# KiCad board RBCX.kicad_pcb (continued)
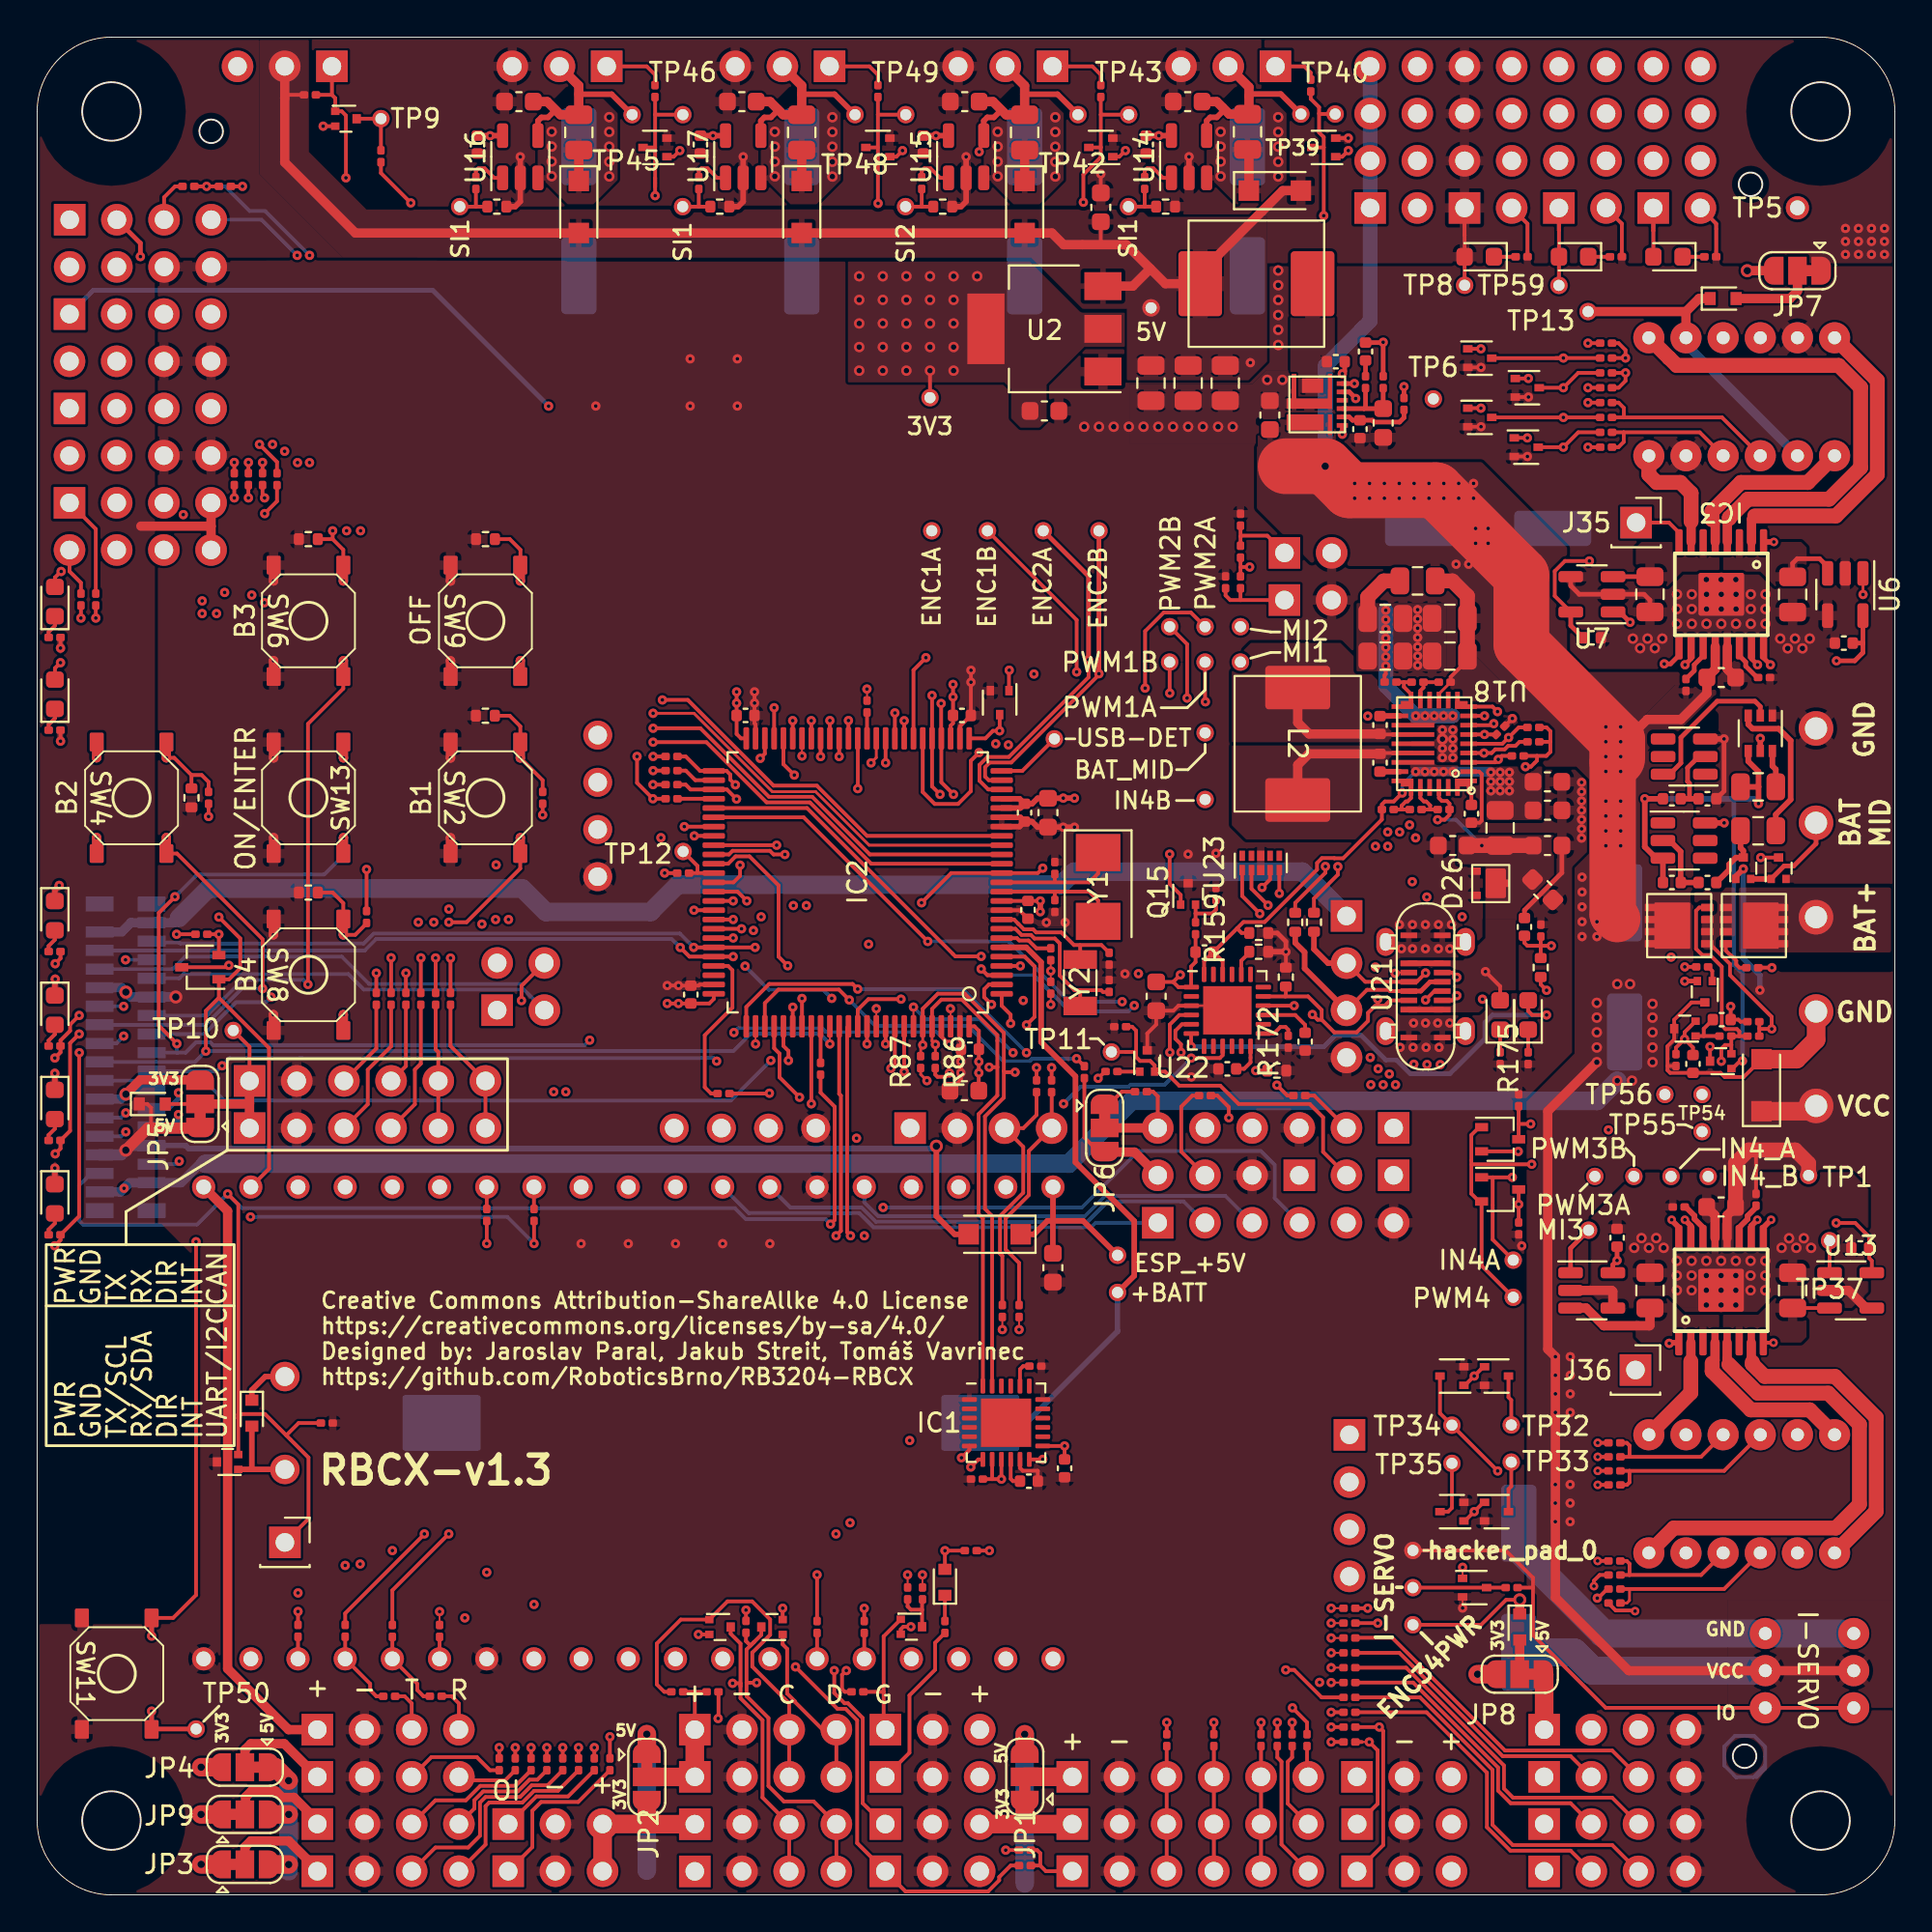
[diagram p0: board, top side]
## Routing (per net, layer and track width the routed paths; a pad name or vN(x,y) marks a point on that pad's centre or on a via; arc(x,y) is an arc through that point) (continued)
  Top w1: JP2.2 35.4,6.35 J6.1 J9.1
  In1.Cu w0.2: v1(43.56,12.07) 43.56,10.69 43.07,10.21
/Connectors/ESP-I2C-SCL: length 95.4
  Top w0.2: v1(14.04,15.25) R2.2 ; 37.33,14.42 37.33,14.05 37.86,13.52 37.86,11.22 ; 40.48,1.26 40.48,3.8 39.05,5.24 39.05,9.4 37.86,10.58 37.86,11.22 ; 37.86,11.22 37.86,11.39 v1(37.44,11.39) ; v1(52.14,2.41) R18.1
  In1.Cu w0.15: J1.3 23.45,50.16 17.93,44.64 17.93,17.31 15.87,15.25 v1(14.04,15.25)
  In2.Cu w0.1: v1(52.14,2.41) 41.63,2.41 40.48,1.26
  In2.Cu w0.15: v1(14.04,15.25) 15.42,13.87 32.38,13.87 33.01,13.24 33.01,12.22 33.69,11.54 36.95,11.54 37.1,11.39 v1(37.44,11.39)
/Connectors/ESP-I2C-SCL-VSEL: length 20.3
  Top w0.2: R19.1 33.76,10.93 33.36,11.33 33.36,13.53 34.65,14.82 Q1.1 37.16,15.8 38.49,15.8 39.46,14.83 39.46,14 38.5,13.04 38.5,12.29 40.48,10.3 40.48,6.35
/Connectors/ESP-I2C-SDA: length 73.5
  Top w0.1: R4.2 v1(21.66,15.25)
  Top w0.2: 38.98,14.42 38.98,14 38.58,13.6 ; 38.58,13.6 38.58,13.6 38.4,13.42 ; 38.58,13.6 38.46,13.47 ; 38.19,11.44 38.19,10.7 39.37,9.52 39.37,5.86 40.2,5.03 41.8,5.03 J17.4 J22.4 ; 38.4,13.42 38.19,13.21 38.19,11.42 v1(38.73,11.42) ; 38.4,13.42 38.16,13.66 R28.1
  In1.Cu w0.15: J1.1 23.4,47.62 20.31,44.53 20.31,36.74 21.66,35.39 v1(21.66,15.25)
  In2.Cu w0.15: v1(38.73,11.42) 38.34,11.81 33.8,11.81 33.29,12.32 33.29,13.34 32.47,14.16 22.75,14.16 v1(21.66,15.25)
/Connectors/ESP-I2C-SDA-VSEL: length 17.7
  Top w0.1: 36.68,9.51 v1(36.66,9.49)
  Top w0.2: J6.4 J9.4 42.28,8.89 40.78,10.39 40.78,10.43 40.37,10.84 40.37,13.24 40.13,13.48 Q2.1 ; R29.1 36.68,9.51
  In2.Cu w0.15: v1(36.66,9.49) 37.08,9.92 42,9.92 J9.4
/Connectors/ESP-SPI-MISO: length 6.7
  Top w0.2: J18.4 63.34,7.99 63.36,8.01
/Connectors/ESP-SPI-MOSI: length 6.7
  Top w0.2: J18.3 60.8,8 R20.2
/Connectors/ESP-SPI-SCK: length 6.7
  Top w0.2: J18.5 65.88,7.98 65.86,8.01
/Connectors/ESP-SPI-~{CS1}: length 1.7
  Top w0.1: J5.6 68.36,6.42
  Top w0.2: 68.36,6.42 R23.2
/Connectors/ESP-SPI-~{CS2}: length 4.7
  Top w0.2: R33.2 67.56,7.4 67.32,7.16 67.32,4.91 J12.6
/Connectors/ESP-SPI-~{CS3}: length 7.4
  Top w0.2: J18.6 66.98,2.71 66.98,7.17 66.76,7.4 R40.2
/Connectors/ESP-USART-RX: length 11.4
  Top w0.2: J7.3 21.44,2.55 23.2,2.55 23.84,3.18 23.84,4.97 24.14,5.27 26,5.27 26.63,5.9 27.48,5.9 R24.2
/Connectors/ESP-USART-TX: length 9.9
  Top w0.2: J7.4 24.14,2.71 24.14,4.77 24.33,4.97 26.12,4.97 26.75,5.6 28.03,5.6 R25.2
/Connectors/ESP_SPI_PWR: length 2.6
  Top w1: J5.1 JP1.2
/Connectors/ESP_UCOM_PWR: length 5.8
  Top w0.5: J13.1 15.08,3.99 13.82,5.24 13.18,5.24 12.83,5.59 11.54,5.59 11.22,5.27 11.22,4.32
/Connectors/ESP_USART_PWR: length 5.7
  Top w0.5: J7.1 15.08,1.36 13.54,2.9 11.51,2.9 11.19,2.58 11.19,1.64
/Connectors/GPIO1: length 1.2
  Top w0.2: R26.1 IM3.7
/Connectors/GPIO3: length 32.7
  Top w0.2: R34.1 v1(26.59,7.93)
  In1.Cu w0.15: v1(26.59,7.93) 30.23,11.57 30.23,37.15 IM3.9
/Connectors/GPIO4: length 32.6
  Top w0.2: R36.1 v1(27.44,7.93)
  In1.Cu w0.1: v1(27.44,7.93) 27.63,8.12
  In1.Cu w0.15: IM3.10 30.52,36.8 30.52,11.01 27.63,8.12
/Connectors/GPIO5: length 32.7
  Top w0.2: R27.1 v1(30.83,8.51)
  In1.Cu w0.2: IM3.11 33.55,38.1 30.83,35.39 v1(30.83,8.51)
/Connectors/GPIO-1: length 74.8
  Top w0.2: R26.2 v1(24.2,35.06)
  In1.Cu w0.15: v1(24.2,17.36) v1(24.2,35.06)
  In2.Cu w0.15: v1(24.2,17.36) 24.78,16.78 63.19,16.78 68.23,11.75 68.23,11.57 68.83,10.97 71.4,10.97 72.78,9.59 72.78,8.08 J8.1
/Connectors/GPIO-2: length 84.6
  Top w0.2: v1(42.91,12.07) 42.91,10.87 43.46,10.31 43.65,10.31 44.44,9.52 44.44,4.93 45.56,3.81 ; v1(26.75,35.06) R7.2
  In1.Cu w0.15: v1(26.75,15.63) v1(26.75,35.06)
  In1.Cu w0.2: v1(11.48,36.49) 9.04,36.49 5.58,39.96 5.58,43.62 4.14,45.06 4.14,49.72 v1(4.76,50.33)
  In2.Cu w0.15: v1(42.91,12.07) 42.91,13.49 40.52,15.87 26.99,15.87 v1(26.75,15.63)
  Bottom w0.2: v1(11.48,36.49) 25.31,36.49 v1(26.75,35.06) ; v1(4.76,50.33) 4.76,50.34 X2.26
/Connectors/GPIO-3: length 7.6
  Top w0.2: R34.2 25.75,5.87 23.86,5.87 23.08,5.09 21.44,5.09 J13.3
/Connectors/GPIO-4: length 6.2
  Top w0.2: R36.2 26.93,6.2 26.5,6.2 25.87,5.57 24.01,5.57 23.54,5.09 23.54,4.65 J13.4
/Connectors/GPIO-5: length 8.9
  Top w0.2: J10.1 26.66,2.57 26.66,4.53 27.13,5 29.12,5 R27.2
/Connectors/GPIO-6: length 5.8
  Top w0.2: J16.1 25.39,3.81 26.87,5.3 28.58,5.3 R39.2
/Connectors/GPIO-7: length 2.7
  Top w0.2: R35.2 47.64,15.89 47.64,15.35 ; 47.64,15.35 47.04,15.35 46.86,15.53 R31.1 ; 47.64,15.35 Q3.3
/Connectors/GPIO-7-VSEL: length 7.4
  Top w0.2: Q3.1 45.57,13.91 45.57,10.94 ; R32.1 45.56,10.93 45.57,10.94 ; 45.57,10.94 45.57,8.89
/Connectors/ILED: length 3
  Top w0.2: R43.2 TP9.P$1 17.2,95.61 Q4.3
/Connectors/ILED-5V: length 65.6
  Top w0.2: J21.1 15.87,96.89 ; 15.87,96.89 R41.1 ; 15.87,96.89 16.05,96.71 Q4.1 16.4,96.01 16.62,95.78 v1(16.62,92.43)
  In1.Cu w0.15: v1(7.65,39.49) 8.6,40.45 8.6,67.92 v1(9.66,68.97)
  In1.Cu w0.2: v1(16.62,92.43) 13.32,89.13 v1(13.32,77.71)
  In2.Cu w0.2: v1(13.32,77.71) 13.32,72.64 v1(9.66,68.97)
  Bottom w0.2: v1(7.65,39.49) 7.49,39.34 X2.4
/Connectors/IN1: length 90.5
  Top w0.1: R37.1 v1(71.71,8.23)
  Top w0.2: 71.31,8.23 R37.1 ; v1(71.71,8.23) 72.16,7.78 72.16,4.9 71.06,3.8
  In1.Cu w0.15: IM3.3 15.16,36.98 15.16,17.37 v1(14.04,16.25)
  In2.Cu w0.15: v1(71.71,8.23) 71.71,9.18 70.44,10.44 68.61,10.44 67.65,11.4 66.84,11.4 62.05,16.19 14.11,16.19 v1(14.04,16.25)
/Connectors/IN2: length 89.4
  Top w0.2: J20.1 72.46,2.68 72.46,8.82 v1(72.25,9.03) R42.1
  In1.Cu w0.15: 16.58,38.1 v1(16.58,17.73)
  In2.Cu w0.15: v1(72.25,9.03) 70.57,10.71 68.72,10.71 67.76,11.66 66.95,11.66 62.16,16.45 17.86,16.45 v1(16.58,17.73)
/Connectors/IN3: length 51.4
  Top w0.2: D1.2 v1(48.87,18.53) R30.1
  In1.Cu w0.15: IM3.5 v1(19.12,18.53)
  In2.Cu w0.1: 19.13,18.53 v1(19.12,18.53)
  In2.Cu w0.2: v1(48.87,18.53) 19.13,18.53
/Connectors/IN3-5V: length 9.1
  Top w0.2: R38.2 48.34,13.57 48.34,12.12 46.96,10.74 46.96,7.65 J14.1
/Connectors/IN4: length 64.8
  Top w0.2: R44.1 52.41,1.58 51.79,0.96 51.79,0.78 51.19,0.19 46.74,0.19 J23.1 44.14,2.78 44.14,9.39 43.52,10.01 43.08,10.01 v1(40.82,12.27)
  In1.Cu w0.15: 21.66,38.1 23.02,36.74 v1(23.02,14.91)
  In2.Cu w0.15: v1(40.82,12.27) 40.82,13.29 39.65,14.46 23.47,14.46 v1(23.02,14.91)
/Connectors/SPI_MISO: length 38.7
  Top w0.2: R21.1 v1(63.34,9.28)
  In2.Cu w0.15: v1(63.34,9.28) 62.18,10.44 29,10.44 26.74,12.7
/Connectors/SPI_MOSI: length 51.4
  Top w0.2: v1(60.81,9.28) R20.1
  In2.Cu w0.15: 11.5,12.7 14.01,10.19 59.9,10.19 v1(60.81,9.28)
/Connectors/SPI_SCK: length 38.7
  Top w0.2: v1(65.88,9.28) R22.1
  In2.Cu w0.15: IM3.30 31.29,10.69 64.47,10.69 v1(65.88,9.28)
/Connectors/SPI_~{SS1}: length 38.6
  Top w0.2: v1(67.57,10.07) 68.36,9.28 R23.1
  In2.Cu w0.15: IM3.29 33.58,10.94 66.16,10.94 67.03,10.07 v1(67.57,10.07)
/Connectors/SPI_~{SS2}: length 31.4
  Top w0.2: R33.1 v1(67.56,9.28)
  In2.Cu w0.15: IM3.26 40.63,11.52 65.99,11.52 66.61,10.89 67.38,10.89 68.02,10.25 68.02,9.74 v1(67.56,9.28)
/Connectors/UART2_RX: length 12.7
  Top w0.2: R24.1 v1(28.29,7.93)
  In1.Cu w0.2: v1(28.29,7.93) 29.06,7.16 31.02,7.16 31.94,8.08 31.94,9.57 34.14,11.78 35.98,11.78 IM3.27
/Connectors/UART2_TX: length 9.2
  Top w0.2: R25.1 v1(29.14,7.93)
  In1.Cu w0.2: v1(29.14,7.93) 29.61,7.46 30.89,7.46 31.64,8.2 31.64,9.7 34.36,12.42 IM3.28
/CONTROL_RX/SDA: length 74
  Top w0.2: R49.1 20.65,50.43 v1(20.66,50.44) ; R140.2 v1(44.52,15.42) ; v1(38.92,61.18) 39.17,61.43 IC2.48
  In1.Cu w0.15: v1(38.92,61.18) 39.33,60.77 39.33,56.24 39.45,56.12 39.45,51.17 38.27,49.99 v1(38.11,49.99) ; v1(44.11,40.73) 44.11,46.92 v1(42.77,48.26)
  In1.Cu w0.2: v1(44.52,15.42) 44.52,35.47
  In1.Cu w0.25: 44.52,35.47 v1(44.53,35.48)
  In2.Cu w0.15: v1(38.11,49.99) 29.54,49.99 28.22,51.31 23.9,51.31 22.41,49.81 21.28,49.81 v1(20.66,50.44)
  In2.Cu w0.2: v1(44.11,40.73) 43.6,40.22 43.6,36.4 v1(44.53,35.48)
  Bottom w0.2: v1(38.11,49.99) 39.38,48.72 42.31,48.72 v1(42.77,48.26)
/CONTROL_TX/SCL: length 99
  Top w0.2: R141.2 v1(41.98,17.23) ; v1(39.67,63.9) IC2.47 ; v1(19.05,50.44) R47.1
  In1.Cu w0.15: v1(40.71,53.25) 40.71,57.13 39.67,58.16 v1(39.67,63.9) ; v1(19.05,50.44) 19.06,50.43 19.06,46.68 17.68,45.29 17.68,18.1 v1(17.39,17.81)
  In2.Cu w0.15: v1(17.39,17.81) 41.4,17.81 v1(41.98,17.23)
  In2.Cu w0.2: v1(19.05,50.44) 19.77,51.16 21.61,51.16 23.98,53.53 33.82,53.53 34.67,54.38 39.58,54.38 v1(40.71,53.25)
/Coprocessor/BOOT0: length 78.9
  Top w0.1: v1(47.17,47.79) IC2.94
  Top w0.2: 58.59,45.37 59.14,45.37 59.16,45.36 ; 58.59,45.37 TP11.P$1 ; 58.59,45.37 58.82,45.37 ; R77.2 58.94,46.73 59.16,46.52 59.16,45.36 ; 59.16,45.36 59.16,45.1 59.37,44.89 59.92,44.89 60.16,44.65 Q6.2 60.72,44.31 61.48,43.56 63.69,43.56 64.67,42.57 68.5,42.57 69.22,41.85 69.22,39.99 70.48,38.73
  In2.Cu w0.1: TP11.P$1 57.41,45.79 52.99,45.79 v1(52.53,45.33)
  In2.Cu w0.15: v1(47.17,47.79) 47.17,46.7 45.85,45.38 39.96,45.38 v1(39.49,44.91)
  Bottom w0.2: v1(39.49,44.91) 37.34,42.76 10.08,42.76 9,43.84 X2.13 ; v1(47.17,47.79) 47.83,47.13 50.74,47.13 v1(52.53,45.33)
/Coprocessor/BUTTON1: length 35.2
  Top w0.2: v1(49.09,45.78) 48.67,46.2 IC2.97 ; v1(27.21,58.13) R57.1
  In1.Cu w0.1: v1(37.51,46.42) 34.55,46.42 33.35,47.62 33.35,56.68 v1(33.58,56.91)
  In2.Cu w0.15: v1(27.21,58.13) 29.03,56.31 32.98,56.31 v1(33.58,56.91)
  Bottom w0.2: v1(49.09,45.78) 48.43,46.44 42.47,46.44 42.26,46.65 37.74,46.65 v1(37.51,46.42)
/Coprocessor/BUTTON2: length 28.6
  Top w0.2: IC2.57 v1(34.84,57.5) ; v1(9.23,58.05) R60.1
  In2.Cu w0.15: v1(9.23,58.05) 9.84,58.66 31.49,58.66 32.64,57.5 v1(34.84,57.5)
/Coprocessor/BUTTON3: length 1.4
  Top w0.2: R66.1 IC2.37
/Coprocessor/BUTTON4: length 21.7
  Top w0.2: IC2.58 v1(35.37,57) ; v1(17.73,55.2) R69.1
  In2.Cu w0.15: v1(17.73,55.2) 18.6,56.06 33.45,56.06 34.39,57 v1(35.37,57)
/Coprocessor/BUTTON_OFF: length 44.7
  Top w0.2: v1(40.76,60.28) 40.17,60.86 IC2.46 ; U3.2 v1(9.78,51.71) R74.1
  In1.Cu w0.15: v1(40.76,60.28) 41.41,59.63 v1(41.41,53.25)
  In2.Cu w0.2: v1(41.41,53.25) 39.98,54.68 34.55,54.68 33.7,53.83 11.9,53.83 v1(9.78,51.71)
/Coprocessor/BUTTON_ON: length 62.5
  Top w0.2: R168.1 v1(88.69,49.95) ; IC2.61 37.2,55.5 37.6,55.9 38.34,55.9 39.91,54.34 39.91,50.51 v1(40.4,50.01) ; 89.41,50 89.41,50.03
  In2.Cu w0.1: 63.03,50.54 54.56,50.54 53.44,49.42 41,49.42 v1(40.4,50.01) ; 62.71,50.54 65.81,50.54 69.36,54.09 74.22,54.09 74.49,54.36 79.7,54.36 83.03,51.03
  In2.Cu w0.2: v1(88.69,49.95) 88.69,50.42 88.08,51.03 83.03,51.03
/Coprocessor/BUZZER: length 2
  Top w0.2: R62.1 IC2.84
/Coprocessor/CHARGER_INT: length 45.7
  Top w0.2: IC2.31 47.67,59.36 48.31,58.72 49.57,58.72 50.26,59.41 50.26,61.04 v1(50.7,61.49) ; R158.1 79.75,62.84 v1(79.21,62.3) 78.87,61.96 U18.5
  In2.Cu w0.15: v1(79.21,62.3) 79.21,61.13 79.7,60.63 79.7,59.16 79.05,58.51 73.13,58.51 70.39,61.25 50.94,61.25 v1(50.7,61.49)
/Coprocessor/ENC1A: length 77.7
  Top w0.1: 81.74,82.73 81.74,82.72
  Top w0.2: D5.3 82.16,82.72 ; 81.74,82.73 v1(82.16,82.73) R92.2 ; v1(39.81,56.5) IC2.59
  Top w0.25: 82.16,82.72 v1(82.16,82.73)
  In2.Cu w0.15: 55.25,66.33 TP18.P$1 ; 55.25,66.33 54.15,65.22 51.22,65.22 49.46,63.46 47.88,63.46 46.91,64.43 40.84,64.43 39.81,63.39 v1(39.81,56.5) ; 55.25,66.33 68.71,79.79 76.18,79.79 79.12,82.73 v1(82.16,82.73)
/Coprocessor/ENC1B: length 75.3
  Top w0.2: IC2.60 37.24,56 37.44,56.2 39.44,56.2 39.64,56 v1(40.25,56) ; D6.3 v1(82.16,81.13) 82.96,81.93 R93.2 ; TP19.P$1 55.96,68.63 v1(55.96,65.83)
  In2.Cu w0.15: 55.53,66.25 54.25,64.97 51.32,64.97 49.56,63.21 47.78,63.21 46.81,64.17 41.01,64.17 40.18,63.35 40.18,63 40.25,62.93 v1(40.25,56) ; 55.53,66.25 v1(55.96,65.83) ; 55.53,66.25 68.82,79.54 76.29,79.54 77.88,81.13 v1(82.16,81.13)
/Coprocessor/ENC2A: length 56
  Top w0.2: IC2.23 51.2,59.5 50.73,59.97 50.73,60.83 51.15,61.25 52.31,61.25 56.6,65.54 v1(56.6,66.48) ; D7.3 v1(82.16,79.53) R94.2
  Top w0.25: v1(56.6,66.48) 56.6,70.99 TP20.P$1
  In2.Cu w0.15: v1(56.6,66.48) 56.6,66.93 68.96,79.29 76.39,79.29 76.63,79.53 v1(82.16,79.53)
/Coprocessor/ENC2B: length 52
  Top w0.2: v1(57.16,65.73) 57.16,65.68 52.43,60.95 51.28,60.95 51.03,60.7 51.03,60.2 51.22,60 IC2.24 ; R95.2 82.96,78.73 v1(82.16,77.93) D8.3
  Top w0.25: v1(57.16,65.73) TP21.P$1
  In2.Cu w0.15: v1(82.16,77.93) 67.97,77.93 57.16,67.12 v1(57.16,65.73)
/Coprocessor/ENC3A: length 80.8
  Top w0.1: IC2.77 v1(38.67,45.8)
  Top w0.2: R104.2 v5(84.01,23.58) ; TP32.P$1 79.35,26.63 79.2,26.78 79.2,27.93
  In1.Cu w0.15: v1(74.81,53.71) 76.8,53.71 78.9,51.62 78.9,45.14 78.57,44.81 78.57,26.07 TP32.P$1 81.07,23.58 v5(84.01,23.58)
  In2.Cu w0.1: v1(38.67,45.8) 39.07,45.8 39.97,46.71 39.97,46.87 40.48,47.38 43.62,47.38 45.45,49.22 54.81,49.22 55.73,50.14 65.97,50.14 69.53,53.7 74.79,53.7 v1(74.81,53.71)
/Coprocessor/ENC4A: length 79.8
  Top w0.1: v1(45.17,47.7) IC2.90
  Top w0.2: D12.3 75.51,25.93 TP34.P$1 v1(78.62,22.82) ; R106.2 84.47,16.46 84.47,16.42 84.03,15.97 v1(83.98,15.97)
  In1.Cu w0.15: 78.07,22.59 78.07,21.05 83.14,15.97 v1(83.98,15.97) ; 78.07,22.59 78.07,45.02 78.4,45.35 78.4,48.3 77.24,49.46 ; 78.07,22.59 78.07,22.82 v1(78.62,22.82) ; 77.16,49.54 77.24,49.46 ; 77.24,49.46 76.51,50.18 72.28,50.18 v1(72.04,49.94)
  In2.Cu w0.1: v1(45.17,47.7) 45.17,48.08 45.9,48.81 68.01,48.81 68.29,49.09 71.29,49.09 72.04,49.84 v1(72.04,49.94)
/Coprocessor/ENC4B: length 81
  Top w0.2: TP35.P$1 76.16,20.83 75.96,20.63 D13.3 ; v5(83.8,16.62) 83.8,16.91 84.11,17.22 R107.2 ; IC2.91 v1(45.67,45.8)
  In1.Cu w0.15: TP35.P$1 77.76,23.23 77.8,23.18 ; v1(77.8,48.21) 78.15,47.87 78.15,45.45 77.8,45.1 77.8,23.18 ; 77.8,23.18 77.8,20.96 83.28,15.48 84.28,15.48 84.54,15.74 84.54,16.27 84.2,16.62 v5(83.8,16.62)
  In2.Cu w0.1: v1(77.8,48.21) 77.8,48.61 76.59,49.81 75.9,49.81 74.98,48.89 68.41,48.89 68.13,48.62 46.27,48.62 45.67,48.01 v1(45.67,45.8)
/Coprocessor/IN4A: length 50.6
  Top w0.1: 78.35,36.62 78.35,37.13
  Top w0.2: v1(52.92,50) IC2.4 ; TP27.P$1 78.35,35.27 78.35,38.62 ; 78.35,38.62 U10.1 ; 78.35,38.62 v1(79.41,38.62)
  In1.Cu w0.15: v1(74.02,54.54) 76.34,54.54 79.15,51.73 79.15,38.88 v1(79.41,38.62)
  In2.Cu w0.1: v1(52.92,50) 53.74,50 54.48,50.74 65.72,50.74 69.28,54.3 73.78,54.3 v1(74.02,54.54)
/Coprocessor/IN4B: length 56.1
  Top w0.1: 44.18,62.25 IC2.38
  Top w0.2: 44.18,62.25 44.18,59.55 v1(44.17,59.55) ; U11.2 79.72,40.02 v1(79.73,40.02)
  In1.Cu w0.15: v1(72.04,56.44) 72.53,55.96 73.44,55.96 74.26,55.14 76.1,55.14 79.4,51.84 79.4,40.35 v1(79.73,40.02)
  In2.Cu w0.15: v1(72.04,56.44) 68.74,59.74 62.92,59.74 ; 62.92,59.74 44.77,59.74 44.57,59.55 v1(44.17,59.55) ; 62.92,59.74 62.88,59.74 62.87,59.74 TP29.P$1
/Coprocessor/INTELLIGENT_SERVO: length 88.7
  Top w0.2: IC2.80 40.17,45.7 40.44,45.43 v1(40.44,44.91) ; R142.2 D23.3 TP52.P$1
  In1.Cu w0.15: v1(73.12,43.61) 73.12,43.6 73.88,42.84 74.17,42.84 74.58,42.44 74.58,33.83 67.53,26.78 67.53,12.94 v1(69.03,11.44)
  In2.Cu w0.1: v1(73.12,43.61) 72.72,43.21 72.34,43.21 72.08,42.95 69.4,42.95 65.54,46.81 61.5,46.81 60.9,46.21 47.26,46.21 46.17,45.12 45.42,45.12 45.21,44.91 v1(40.44,44.91)
  In2.Cu w0.2: v1(69.03,11.44) 68.58,11.89 68.58,15.15 69.43,16.01 73.53,16.01 TP52.P$1
/Coprocessor/MI1: length 59.5
  Top w0.15: U6.1 98.29,71.13 v1(98.29,70)
  Top w0.2: v1(46.67,63.2) IC2.33
  In2.Cu w0.15: v1(46.67,63.2) 47.19,62.68 49.74,62.68 51.53,64.47 58.42,64.47 59.41,65.46 63.45,65.46 63.64,65.27 64.74,65.27 ; 64.74,65.27 64.77,65.3 TP22.P$1 ; 64.74,65.27 85.95,65.27 87.83,67.15 92.99,67.15 93.54,66.6 96.32,66.6 98.29,68.57 v1(98.29,70)
/Coprocessor/MI2: length 47.1
  Top w0.2: v1(46.17,63.62) IC2.34
  Top w0.25: v1(85.75,68.5) 85.19,69.06 U7.1
  In2.Cu w0.15: v1(85.75,68.5) 82.77,65.52 67.15,65.52 65.43,67.24 64.77,67.24 ; v1(46.17,63.62) 46.2,63.65 46.97,63.65 47.66,62.96 49.66,62.96 51.43,64.72 57.72,64.72 60.24,67.24 64.77,67.24 ; TP23.P$1 64.77,67.24
/Coprocessor/MI3: length 61.6
  Top w0.2: v1(45.67,60.94) IC2.35
  Top w0.25: TP36.P$1 82.54,34.81 U12.1
  In1.Cu w0.15: v1(84.58,41.18) 80.65,45.11 80.65,52.41 76.64,56.42 75.32,56.42 74.15,57.59 v1(73.88,57.59)
  In2.Cu w0.15: v1(73.88,57.59) 73.59,57.88 73.03,57.88 70.17,60.75 45.86,60.75 v1(45.67,60.94)
  In2.Cu w0.2: v1(84.58,41.18) 83.08,39.68 83.08,36.21 TP36.P$1
/Coprocessor/MI4: length 71.1
  Top w0.15: IC2.36 45.17,61.22 v1(44.89,60.93)
  Top w0.2: TP37.P$1 96.48,35.21 U13.1
  In1.Cu w0.15: v1(74.2,56.9) 74.94,56.16 76.53,56.16 80.4,52.29 80.4,44.62 84.33,40.69
  In1.Cu w0.2: TP37.P$1 94.63,37.07 94.63,37.07 91.99,39.7 85.32,39.7 84.33,40.69
  In2.Cu w0.15: v1(44.89,60.93) 45.35,61.4 45.86,61.4 46.26,61 70.27,61 73.14,58.13 74.05,58.13 74.45,57.73 74.45,57.15 v1(74.2,56.9)
/Coprocessor/MPU-INT: length 50.6
  Top w0.1: 34.03,55.01 34.04,55
  Top w0.2: v1(54.13,23.44) 54.13,23.44 IC1.12 ; 34.45,55 v1(33.78,55)
  In1.Cu w0.1: 46.03,37.84 46.97,36.91
  In1.Cu w0.15: v1(46.97,24.46) 46.97,36.91 45.98,37.9 ; 45.98,37.9 46.03,37.84 ; 45.98,37.9 45.23,38.65 45.23,46.4 44.73,46.9 44.73,51.14 v1(44.76,51.17)
  In2.Cu w0.15: v1(54.13,23.44) 53.12,24.46 v1(46.97,24.46)
  In2.Cu w0.2: v1(33.78,55) 33.8,54.98 40.95,54.98 v1(44.76,51.17)
/Coprocessor/MPU-SCL: length 13.8
  Top w0.2: R82.2 51.96,34.39 51.83,34.52 51.83,36.54 53.08,37.79 53.08,40.26 J34.3 53.09,41.27 53.8,41.98 R80.1
/Coprocessor/MPU-SDA: length 12.8
  Top w0.1: R81.1 54.61,43.2
  Top w0.2: 54.61,43.2 J34.4 53.38,40.04 53.38,37.67 52.14,36.42 52.14,34.74 52.86,34.02 R83.2
/Coprocessor/MPU_INT: length 2.8
  Top w0.2: TP12.P$1 35.55,55.39 35.55,55.01 ; R79.1 IC2.62
/Coprocessor/MPU_SCL: length 9.6
  Top w0.1: R82.1 v1(51.96,30.43)
  Top w0.2: IC1.7 50.67,23.44 v1(50.26,23.03)
  In1.Cu w0.15: v1(50.26,23.03) 51.96,24.73 v1(51.96,30.43)
/Coprocessor/MPU_SDA: length 11.2
  Top w0.1: R83.1 v1(52.86,30.43)
  Top w0.2: IC1.6 50.18,23.95 v1(49.76,23.53)
  In1.Cu w0.15: v1(52.86,30.43) 52.26,31.03 51.76,31.03 51.36,30.63 51.36,25.13 v1(49.76,23.53)
/Coprocessor/OSC32_IN: length 9.1
  Top w0.2: C28.1 57.37,48.6 57.28,48.7 56.15,48.7 ; IC2.8 52.66,52 52.99,51.67 53.49,51.67 53.69,51.48 54.78,51.48 55.05,51.21 55.05,49.48 55.83,48.7 56.15,48.7 ; 56.15,48.7 Y2.2
/Coprocessor/OSC32_OUT: length 7.3
  Top w0.1: 56.15,51.12 56.14,51.13
  Top w0.2: C30.1 57.29,51.13 55.81,51.13 55.13,51.81 53.78,51.81 53.62,51.97 53.12,51.97 52.83,52.26 52.83,52.26 52.59,52.5 IC2.9 ; Y2.1 56.15,51.12
/Coprocessor/OSC_IN: length 7
  Top w0.2: IC2.12 56.63,54 57.11,53.52 Y1.2 ; C27.1 54.78,53.99
/Coprocessor/OSC_OUT: length 6.9
  Top w0.2: IC2.13 56.63,54.5 57.11,54.98 Y1.1 ; C29.1 54.78,54.52
/Coprocessor/PD_INT: length 27.9
  Top w0.2: IC2.83 41.67,42.59 v1(41.67,42.58) ; U22.9 63.82,45.2 63.66,45.04 v1(62.12,45.04)
  In2.Cu w0.2: v1(55.25,42.58) v1(41.67,42.58)
  Bottom w0.2: v1(55.25,42.58) 56.17,43.5 58.75,43.5 58.86,43.61 60.69,43.61 v1(62.12,45.04)
/Coprocessor/POWER: length 2.9
  Top w0.2: IC2.7 51.93,51.5 52.74,51.5 52.87,51.37 53.37,51.37 53.79,50.95 R170.2
/Coprocessor/PWM1A: length 56.4
  Top w0.1: 62.87,64.37 62.89,64.35 v1(62.89,64.22)
  Top w0.2: 62.87,64.37 TP14.P$1 ; IC2.40 v1(43.17,61.28)
  Top w0.25: IC3.16 92.93,66.58 v1(93.3,66.21)
  In2.Cu w0.15: v1(43.17,61.28) 43.56,61.66 50.16,61.66 51.93,63.43 62.09,63.43 v1(62.89,64.22) 91.31,64.22 v1(93.3,66.21)
/Coprocessor/PWM1B: length 55.8
  Top w0.2: TP15.P$1 60.96,64.69 v1(60.97,64.69) ; v1(43.67,63.21) IC2.39
  Top w0.25: IC3.15 92.28,66.54 v1(92.61,66.22)
  In2.Cu w0.15: v1(92.61,66.22) 92.12,66.7 88.53,66.7 88.2,66.38 88.2,65.55 87.38,64.73 63.4,64.73 63.21,64.92 61.2,64.92 v1(60.97,64.69) 60.22,63.94 51.72,63.94 49.95,62.17 44.72,62.17 v1(43.67,63.21)
/Coprocessor/PWM2A: length 59.3
  Top w0.1: v1(42.17,61.27) 42.17,61.27
  Top w0.2: TP16.P$1 62.11,69.02 60.64,69.02 59.64,68.02 v1(59.64,64.96) ; 42.17,61.27 IC2.42
  Top w0.25: IC3.9 88.38,66.72 87.92,66.26 v1(87.59,66.26)
  In2.Cu w0.15: v1(87.59,66.26) 86.34,65.01 63.5,65.01 63.32,65.2 59.88,65.2 v1(59.64,64.96) 58.9,64.22 51.64,64.22 49.85,62.43 45.12,62.43 43.89,63.66 42.45,63.66 42.17,63.38 v1(42.17,61.27)
/Coprocessor/PWM2B: length 55.1
  Top w0.2: IC2.41 v1(42.67,63.21) ; TP17.P$1 61.9,67.33 v1(61.9,64.42)
  Top w0.25: v1(88.71,66.22) 89.03,66.54 IC3.10
  In2.Cu w0.15: v1(88.71,66.22) 88.71,65.68 87.5,64.47 63.3,64.47 63.1,64.67 62.15,64.67 v1(61.9,64.42) 61.17,63.69 51.83,63.69 50.06,61.92 43.97,61.92 v1(42.67,63.21)
/Coprocessor/PWM3A: length 65
  Top w0.1: v1(41.17,61.3) IC2.44
  Top w0.3: IC4.16 88.37,35.93 87.99,36.31 v5(87.99,36.34)
  In1.Cu w0.15: TP25.P$1 79.9,42.63 79.9,52.06 76.31,55.65 74.46,55.65 73.34,56.77 73.16,56.77 72.71,57.21 v1(72.7,57.21)
  In2.Cu w0.15: v1(72.7,57.21) 69.67,60.24 41.81,60.24 41.17,60.88 v1(41.17,61.3)
  In2.Cu w0.2: TP25.P$1 84.6,37.93 86.4,37.93 v5(87.99,36.34)
/Coprocessor/PWM3B: length 66.1
  Top w0.2: IC2.43 v1(41.67,63.21)
  Top w0.3: v5(88.7,36.34) 89.02,36.01 IC4.15
  In1.Cu w0.15: TP26.P$1 80.15,44.48 80.15,52.17 76.42,55.9 74.57,55.9 73.34,57.13 v1(73.34,57.21)
  In2.Cu w0.15: v1(73.34,57.21) 70.06,60.49 42.3,60.49 41.67,61.12 v1(41.67,63.21)
  In2.Cu w0.2: TP26.P$1 86.61,38.67 88.7,36.59 v5(88.7,36.34)
/Coprocessor/PWM4: length 72.8
  Top w0.1: 77.2,39.53 77.2,39.33 77.21,39.32
  Top w0.2: IC2.45 v1(40.67,63.21) ; v1(80.45,39.33) 80.45,39.32 77.21,39.32 ; U11.1 77.62,41.32 77.2,40.9 77.2,37.74 77.62,37.32 U10.2 77.75,34.23 77.76,34.23 77.76,33.87 TP28.P$1
  In1.Cu w0.15: v1(72.7,56.44) 73.31,56.44 74.36,55.4 76.2,55.4 79.65,51.95 79.65,40.73 80.17,40.2 80.17,40.2 80.45,39.92 v1(80.45,39.33)
  In2.Cu w0.15: v1(40.67,63.21) 40.67,61.01 41.69,59.99 69.15,59.99 v1(72.7,56.44)
/Coprocessor/STM_SPI_MOSI: length 2
  Top w0.2: IC2.54 R5.2
/Coprocessor/STM_SPI_SCK: length 2.2
  Top w0.2: R3.2 34.91,60.52 35.43,60 IC2.52
/Coprocessor/TUNNEL_RX: length 56.7
  Top w0.2: IC2.87 43.6,46.68 43.6,35.66 v1(43.78,35.48) ; v1(20.84,19.43) 20.84,19.41 16.58,15.15 R136.2
  In1.Cu w0.1: 43.78,20.05 v1(43.76,20.03)
  In1.Cu w0.2: v1(43.78,35.48) 43.78,20.05
  In2.Cu w0.2: v1(20.84,19.43) 21.44,20.03 v1(43.76,20.03)
/Coprocessor/TUNNEL_TX: length 54.5
  Top w0.1: 43.17,43.12 43.17,43.06
  Top w0.2: R137.2 19.12,16.39 v1(22.16,19.43) ; v1(43.01,35.48) 43.27,35.74 43.27,43.02 43.17,43.12 IC2.86
  In1.Cu w0.1: 43.01,19.43 v1(43,19.43)
  In1.Cu w0.2: v1(43.01,35.48) 43.01,19.43
  In2.Cu w0.2: v1(22.16,19.43) v1(43,19.43)
/Coprocessor/USER_RX: length 58.1
  Top w0.2: R129.1 v1(25.74,7.93) ; IC2.93 v1(46.67,44.31)
  In1.Cu w0.15: v1(25.74,7.93) 28.23,10.42 28.23,43 v1(28.46,43.23)
  In2.Cu w0.1: v1(28.46,43.23) 29.29,44.06 46.43,44.06 v1(46.67,44.31)
/Coprocessor/USER_TX: length 58.1
  Top w0.2: v1(45.96,44.49) 46.17,44.7 IC2.92 ; R128.1 v1(24.87,7.93)
  In1.Cu w0.15: v1(27.81,43.23) 27.81,10.86 v1(24.87,7.93)
  In2.Cu w0.1: v1(27.81,43.23) 28.84,44.26 45.73,44.26 v1(45.96,44.49)
/Coprocessor/UTS1_ECHO: length 65.5
  Top w0.2: 70.32,10.63 69.14,10.63 67.66,12.11 v1(67.21,12.11) ; IC2.5 53.17,50.5 53.69,49.98 53.69,47.26 v1(53.26,46.83)
  In1.Cu w0.15: v1(67.21,12.11) 67.03,12.29 67.03,26.99 74.08,34.03 74.08,42.23 73.97,42.34 73.06,42.34 v1(71.79,43.61)
  In2.Cu w0.1: v1(53.26,46.83) 53.77,46.83 53.93,46.67 60.79,46.67 61.34,47.22 65.7,47.22 69.56,43.35 71.54,43.35 v1(71.79,43.61)
/Coprocessor/UTS1_TRIG: length 66.3
  Top w0.1: v1(49.16,47.7) 49.17,47.69 IC2.98
  Top w0.2: 70.32,9.83 v1(69.66,9.83)
  In1.Cu w0.15: v1(72.46,43.61) 73.48,42.59 74.07,42.59 74.33,42.33 74.33,33.93 67.28,26.89 67.28,12.71 67.69,12.3 67.69,11.8 v1(69.66,9.83)
  In2.Cu w0.1: v1(49.16,47.7) 50.46,46.41 60.81,46.41 61.42,47.02 65.62,47.02 69.48,43.15 72,43.15 v1(72.46,43.61)
/Coprocessor/UTS2_ECHO: length 70.7
  Top w0.1: 70.32,12.23 v1(69.66,12.23)
  Top w0.2: v1(46.5,48.22) 44.74,48.22 44.17,47.64 IC2.88
  In1.Cu w0.15: v1(69.66,12.23) 68.04,13.85 68.04,26.57 75.08,33.62 75.08,42.65 73.05,44.68 72.4,44.68 v1(72.19,44.47)
  In2.Cu w0.1: v1(46.5,48.22) 46.7,48.42 49.07,48.42 50.43,47.06 51.73,47.06 52.12,47.45 53.72,47.45 54.09,47.07 60.62,47.07 61.16,47.62 65.87,47.62 69.73,43.75 71.07,43.75 71.79,44.47 v1(72.19,44.47)
/Coprocessor/UTS2_TRIG: length 62.8
  Top w0.1: 70.32,11.43 v1(69.66,11.43)
  Top w0.2: v1(52.4,46.91) 52.4,47.38 51.92,47.86 IC2.1
  In1.Cu w0.15: v1(69.66,11.43) 69.66,11.44 67.78,13.32 67.78,26.68 74.83,33.72 74.83,42.55 73.19,44.19 v1(72.79,44.19)
  In2.Cu w0.1: v1(72.79,44.19) 72.61,44.01 71.61,44.01 71.16,43.55 69.65,43.55 65.78,47.42 61.24,47.42 60.7,46.87 54.01,46.87 53.64,47.25 52.74,47.25 v1(52.4,46.91)
/Coprocessor/UTS3_ECHO: length 79.8
  Top w0.1: 70.32,13.83 v1(69.66,13.83)
  Top w0.2: IC2.55 41.44,58.5 49.43,50.52 v1(50.82,50.52)
  In1.Cu w0.15: v1(53.08,48.14) 53.08,48.72 51.28,50.52 v1(50.82,50.52) ; v1(69.66,13.83) 68.55,14.94 68.55,26.37 75.59,33.41 75.59,42.86 74.1,44.35 74.1,44.7 v1(74.11,44.71)
  In2.Cu w0.1: 53.15,48.22 v1(53.08,48.14) 53.59,48.14 54.26,47.47 60.4,47.47 60.94,48.02 66.03,48.02 67.91,46.13 71.35,46.13 72.76,44.73 74.09,44.73 v1(74.11,44.71)
/Coprocessor/UTS3_TRIG: length 63.6
  Top w0.1: 70.32,13.03 v1(69.66,13.03)
  Top w0.2: IC2.2 51.23,49 50.98,48.75 50.98,48.32 v1(51.37,47.93)
  In1.Cu w0.15: v1(69.66,13.03) 68.29,14.39 68.29,26.47 75.33,33.51 75.33,42.76 73.16,44.93 72.3,44.93 72.16,45.07 v1(71.76,45.07)
  In2.Cu w0.1: v1(51.37,47.93) 51.58,47.72 53.73,47.72 54.18,47.27 60.5,47.27 61.04,47.81 65.95,47.81 69.81,43.95 70.99,43.95 71.76,44.72 v1(71.76,45.07)
